# Altium PCB P01-BASE.PcbDoc (continued)
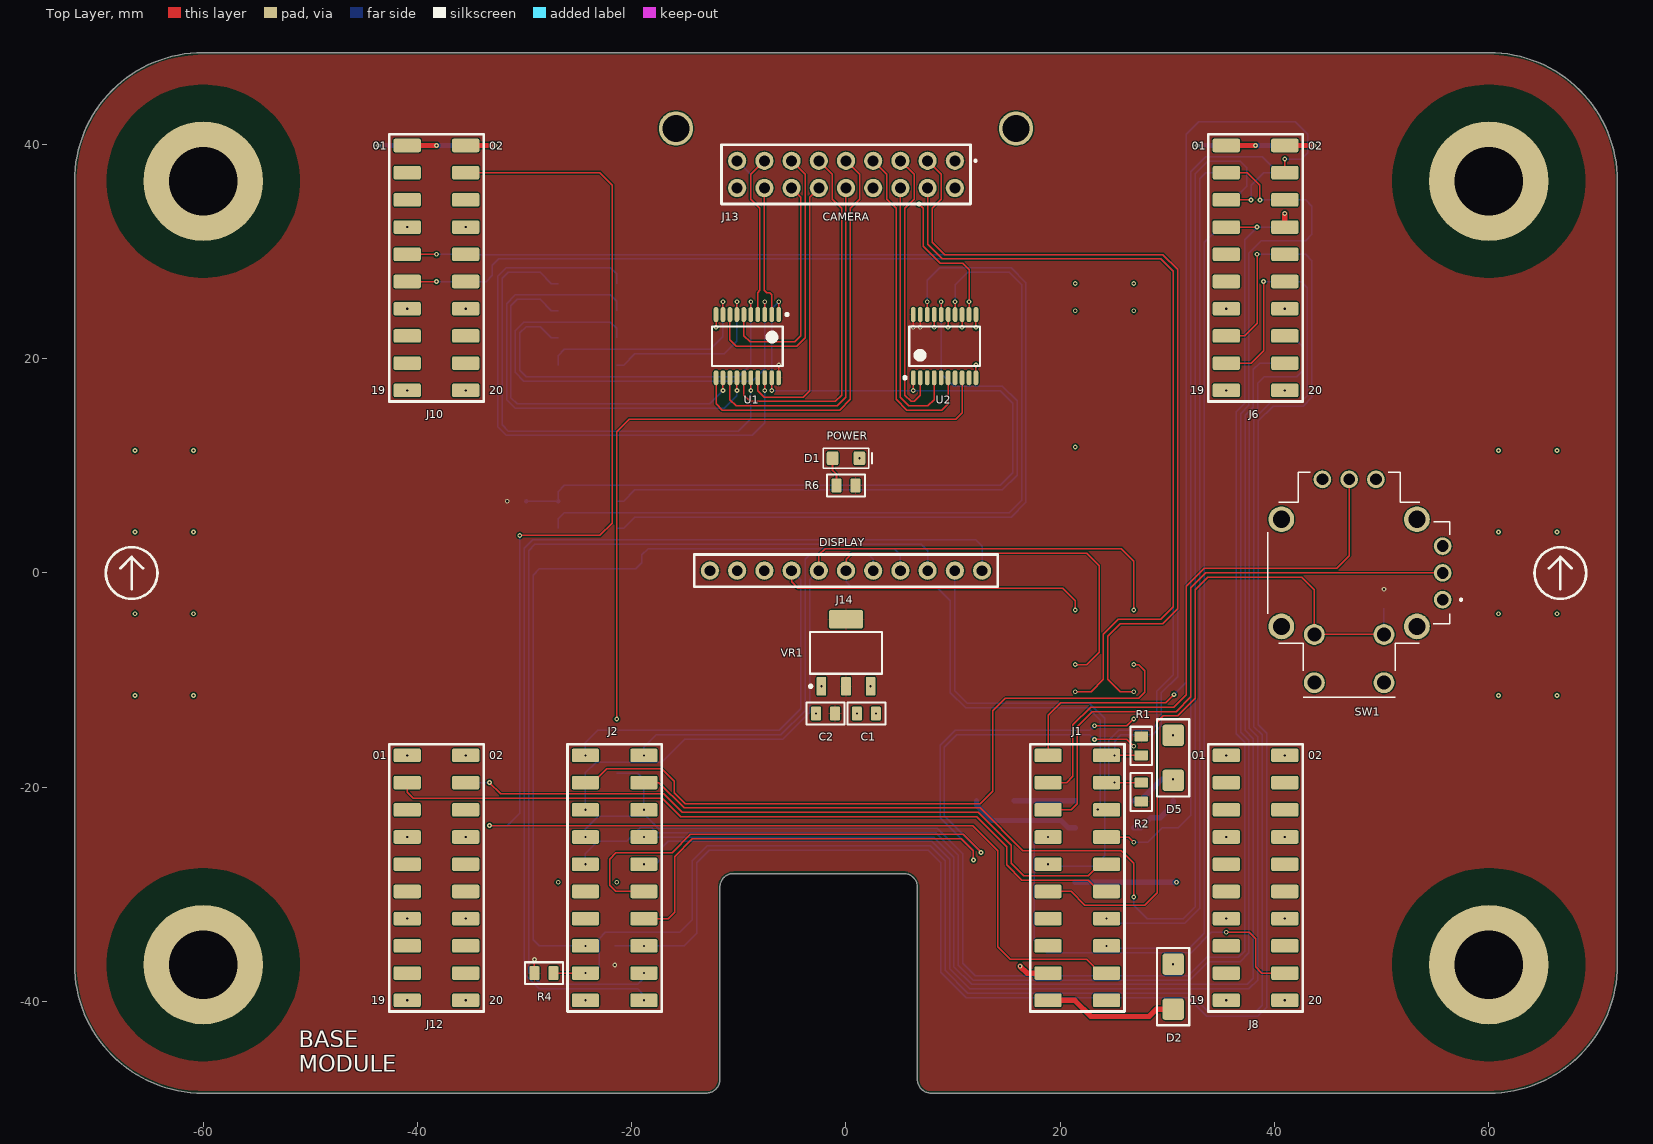
[diagram p0: Top Layer view]
## Footprints (in the part's own frame and the unit in brackets; to place one, negate y for a bottom-side part, rotate by r counter-clockwise, add the part's x,y. Pads: shape width x height; smd on the part's side, far side on the other; paste and mask are expansions set on the pad) (continued)
  rrect25% 1.75x0.9 smd: 1(-3.125,2.3) 2(-3.125,0) 3(-3.125,-2.3)
  rrect25% 1.75x3.2 smd: 2(3.125,0)
  silkscreen extent -3.25,-3.35 1.95,3.42, body extent -3.5,-3.25 3.5,3.25, height 1.8

## Part data
C1 C2: library part CL21B105KAFNFNE, "CAP CER 1UF 25V X7R 0805", Capacitance="1 µF", Operating Temperature="-55°C ~ 125°C", Package / Case="0805 (2012 Metric)", Temperature Coefficient=X7R, Tolerance=±10%, Voltage - Rated=25V, Applications="General Purpose", Mounting Type="Surface Mount, MLCC", Size / Dimension="0.079\" L x 0.049\" W (2.00mm x 1.25mm)", Supplier 1="Arrow Electronics", Supplier Part Number 1=CL21B105KAFNFNE, Thickness (Max)="0.053\" (1.35mm)"
D1: "LED GREEN CLEAR CHIP SMD", Color=Green, Current - Test=20mA, Lens Color=Colorless, Millicandela Rating=12mcd, Package / Case="0805 (2012 Metric)", Supplier Device Package="Chip LED", Supplier Part Number 1=160-1423-1-ND, Voltage - Forward (Vf) (Typ)=2.1V, Configuration=Standard, Height (Max)=0.90mm, Lens Size="1.40mm x 1.25mm", Lens Style="Rectangle with Flat Top", Lens Transparency=Clear, Mounting Type="Surface Mount", Size / Dimension="2.00mm L x 1.25mm W", Supplier 1=Digi-Key, Viewing Angle=130°, Wavelength - Dominant=569nm, Wavelength - Peak=565nm
D2 D4 D5 D7 D8: "DIODE SCHOTTKY 30V 5A PMDS", Current - Average Rectified (Io)=5A, Current - Reverse Leakage @ Vr="150 µA @ 30 V", Operating Temperature - Junction="-55°C ~ 150°C", Package / Case="DO-214AC, SMA", Supplier Part Number 1=846-RBR5L30BDDTE25CT-ND, Voltage - DC Reverse (Vr) (Max)="30 V", Voltage - Forward (Vf) (Max) @ If="490 mV @ 5 A", Diode Type=Schottky, Mounting Type="Surface Mount", Speed="Fast Recovery =< 500ns, > 200mA (Io)", Supplier 1=Digi-Key
J1 J2 J5 J6 J7 J8 J9 J10 J11 J12 J15 J16: "CONN HEADER SMD 20POS 2.54MM", Current Rating (Amps)="3A per Contact", Insulation Color=Black, Material Flammability Rating="UL94 V-0", Operating Temperature="-65°C ~ 125°C", Connector Type="Header, Breakaway", Contact Finish - Mating="Gold, GXT™", Contact Finish - Post=Tin, Contact Finish Thickness - Mating="30.0µin (0.76µm)", Contact Finish Thickness - Post="78.7µin (2.00µm)", Contact Length - Mating="0.232\" (5.90mm)", Contact Material="Phosphor Bronze", Contact Shape=Square, Contact Type="Male Pin", Fastening Type=Push-Pull, Insulation Height="0.100\" (2.54mm)", Insulation Material=Thermoplastic, Mounting Type="Surface Mount", Number of Positions=20, Number of Positions Loaded=All, Number of Rows=2, Pitch - Mating="0.100\" (2.54mm)", Row Spacing - Mating="0.100\" (2.54mm)", Shrouding=Unshrouded, Style="Board to Board", Supplier 1="Arrow Electronics", Supplier Part Number 1=95278-101-20LF, Termination=Solder
  J5 J6 J7 J8 J9 J10 J11 J12 J15 J16: System=Connector
J3 J4: "CONN HEADER SMD 46POS 2.54MM", Current Rating (Amps)="3A per Contact", Insulation Color=Black, Material Flammability Rating="UL94 V-0", Operating Temperature="-65°C ~ 125°C", Supplier Part Number 1=17M5553, Connector Type="Header, Breakaway", Contact Finish - Mating="Gold, GXT™", Contact Finish - Post=Tin, Contact Finish Thickness - Mating="30.0µin (0.76µm)", Contact Finish Thickness - Post="78.7µin (2.00µm)", Contact Length - Mating="0.232\" (5.90mm)", Contact Material="Phosphor Bronze", Contact Shape=Square, Contact Type="Male Pin", Fastening Type=Push-Pull, Insulation Height="0.100\" (2.54mm)", Insulation Material=Thermoplastic, Mounting Type="Surface Mount", Number of Positions=46, Number of Positions Loaded=All, Number of Rows=2, Pitch - Mating="0.100\" (2.54mm)", Row Spacing - Mating="0.100\" (2.54mm)", Shrouding=Unshrouded, Style="Board to Board", Supplier 1=Newark, Termination=Solder
J13: "CONN HDR 18POS 0.1 GOLD PCB R/A", Current Rating (Amps)=3A, Insulation Color=Black, Material Flammability Rating="UL94 V-0", Operating Temperature="-40°C ~ 105°C", Supplier Part Number 1=S5562-ND, Voltage Rating=250V, Connector Type=Header, Contact Finish - Mating=Gold, Contact Finish - Post=Gold, Contact Finish Thickness - Mating=Flash, Contact Finish Thickness - Post=Flash, Contact Length - Post="0.124\" (3.15mm)", Contact Material="Phosphor Bronze", Contact Shape=Square, Contact Type="Female Socket", Fastening Type=Push-Pull, Insulation Height="0.200\" (5.08mm)", Insulation Material=Polyester, Mounting Type="Through Hole, Right Angle", Number of Positions=18, Number of Positions Loaded=All, Number of Rows=2, Pitch - Mating="0.100\" (2.54mm)", Row Spacing - Mating="0.100\" (2.54mm)", Style="Board to Board", Supplier 1=Digi-Key, Termination=Solder
J14: "CONN HDR 11POS 0.1 GOLD PCB", Current Rating (Amps)=3A, Insulation Color=Black, Material Flammability Rating="UL94 V-0", Operating Temperature="-40°C ~ 105°C", Supplier Part Number 1=S7044-ND, Connector Type=Header, Contact Finish - Mating=Gold, Contact Finish - Post=Gold, Contact Finish Thickness - Mating=Flash, Contact Finish Thickness - Post=Flash, Contact Length - Post="0.126\" (3.20mm)", Contact Material="Phosphor Bronze", Contact Shape=Square, Contact Type="Female Socket", Fastening Type=Push-Pull, Insulation Height="0.335\" (8.51mm)", Insulation Material=Polyester, Mounting Type="Through Hole", Number of Positions=11, Number of Positions Loaded=All, Number of Rows=1, Pitch - Mating="0.100\" (2.54mm)", Style="Board to Board", Supplier 1=Digi-Key, Termination=Solder
R1 R2 R3 R4: library part RC0805FR-072K2L, "RES 2.2K OHM 1% 1/8W 0805", Operating Temperature="-55°C ~ 155°C", Package / Case="0805 (2012 Metric)", Power (Watts)="0.125W, 1/8W", Resistance="2.2 kOhms", Supplier Device Package=0805, Supplier Part Number 1=311-2.20KCRDKR-ND, Temperature Coefficient=±100ppm/°C, Tolerance=±1%, Composition="Thick Film", Features="Moisture Resistant", Height - Seated (Max)="0.024\" (0.60mm)", Number of Terminations=2, Size / Dimension="0.079\" L x 0.049\" W (2.00mm x 1.25mm)", Supplier 1=Digi-Key
R5 R7: library part RC0805FR-0710KL, "RES 10K OHM 1% 1/8W 0805", Operating Temperature="-55°C ~ 155°C", Package / Case="0805 (2012 Metric)", Power (Watts)="0.125W, 1/8W", Resistance="10 kOhms", Supplier Device Package=0805, Supplier Part Number 1=3310877, Temperature Coefficient=±100ppm/°C, Tolerance=±1%, Composition="Thick Film", Features="Moisture Resistant", Height - Seated (Max)="0.024\" (0.60mm)", Number of Terminations=2, Size / Dimension="0.079\" L x 0.049\" W (2.00mm x 1.25mm)", Supplier 1="Future Electronics"
R6: library part RC0805FR-7W330RL, "RES 330 OHM 1% 1/4W 0805", Operating Temperature="-55°C ~ 155°C", Power (Watts)="0.25W, 1/4W", Resistance="330 Ohms", Supplier Device Package=0805, Supplier Part Number 1=603-RC0805FR-7W330RL, Temperature Coefficient=±100ppm/°C, Tolerance=±1%, Composition="Thick Film", Features="Moisture Resistant", Height - Seated (Max)="0.024\" (0.60mm)", Number of Terminations=2, Size / Dimension="0.079\" L x 0.049\" W (2.00mm x 1.25mm)", Supplier 1=Mouser
SW1: "THUMBSTICK DUAL AXIS W/MOM PB", Operating Force=160gf, Operating Temperature="-10°C ~ 70°C", Resistance="10 kOhms", Supplier Part Number 1=66AH3097, Voltage Rating - AC="50 V", Voltage Rating - DC="5 V", Actuator Type=Joystick, Electrical Life="1,000,000 Cycles", Features="Center Tap", Mounting Type="Through Hole", Output="Analog (Resistive)", Supplier 1=Newark, Switch Function="360° Directional, Center Select", Termination Style="PC Pin", Type="Joystick, 2 - Axis"
U1 U2: "IC BUF NON-INVERT 3.6V 20TSSOP", Current - Output High, Low="24mA, 24mA", Operating Temperature="-40°C ~ 125°C (TA)", Package / Case="20-TSSOP (0.173\", 4.40mm Width)", Supplier Device Package=20-TSSOP, Supplier Part Number 1=1727-2875-1-ND, Voltage - Supply="1.2V ~ 3.6V", Logic Type="Buffer, Non-Inverting", Mounting Type="Surface Mount", Number of Bits per Element=4, Number of Elements=2, Output Type=3-State, Supplier 1=Digi-Key
VR1: "IC REG LINEAR 3.3V 1A SOT223-4", Current - Output=1A, Current - Quiescent (Iq)="100 µA", Operating Temperature="-40°C ~ 125°C", Package / Case="TO-261-4, TO-261AA", Supplier Part Number 1=296-28778-1-ND, Voltage - Input (Max)=5.5V, Voltage - Output (Min/Fixed)=3.3V, Voltage Dropout (Max)="1.3V @ 800mA", ComponentLink1Description=Datasheet, ComponentLink1URL=https://www.ti.com/lit/ds/symlink/tlv1117lv.pdf, Mounting Type="Surface Mount", Number of Regulators=1, Output Configuration=Positive, Output Type=Fixed, Protection Features="Over Current, Over Temperature", PSRR="75dB (120Hz)", Supplier 1=Digi-Key

## Free pads (board coordinates)
  round 11.14 hole 6.4: M(-60,-36.561) M(-60,36.561) M(60,-36.561) M(60,36.561)
  round 3.2 hole 2.5: M(-15.875,41.482) M(15.875,41.482)

## Via types
v1: diameter 0.45, hole 0.2, Top Layer to Bottom Layer, 145 vias

## Nets (pads, with @x,y where several pads share a name; then routed paths per layer and width w, separated by ;. In a path a pad name is that pad's centre, name@x,y a point inside that pad or via, vN(x,y) a via of type N, cw(c..) or ccw(c..) an arc to the next point about the centre after c; other vN are vias at no path point)
+3V3: C2.2 J13.1 J14.1 R1.2 R2.2 R3.2 R4.2 R5.2 R6.2 R7.2 SW1.3X SW1.3Y U1.20 U2.19 U2.20 VR1.2 | length 4.9
  Top Layer w0.137: R4.2 v1(-29.075,-36.084) ; U1.20 v1(-6.282,19.405) ; v1(6.282,22.918) U2.20 ; v1(6.932,22.918) U2.19
  other v1: -21.59,-36.584 50.211,-1.528 -31.615,6.683
+5V0: C1.2 D2.K D4.K D5.K D7.K D8.K J5.1 J6.1 J9.1 J10.1 VR1.3 | length 10.9
  Top Layer w0.5: J10.1 v1(-38.227,39.894) ; J6.1 v1(38.227,39.894)
  Bottom Layer w0.5: v1(-38.227,39.894) J9.1 ; v1(38.227,39.894) J5.1
  other v1: 30.536,-36.524 30.536,-15.157 2.786,-13.128 2.3,-10.584
\BEAGLE_SPICS: J2.18 J4.18 | length 66.7
  Top Layer w0.137: J2.18 -23.638,-19.574 -22.352,-18.288 -17.19,-18.288 -16.024,-19.453 -16.024,-20.504 -14.999,-21.53 12.536,-21.53 13.701,-20.365 13.701,-12.874 14.867,-11.709 27.305,-11.709 27.888,-11.126 27.888,-9.139 27.305,-8.557 v1(26.86,-8.557)
\BUFFER_RESET: J13.17 U2.12 | length 33.5
  Top Layer w0.137: v1(6.811,34.421) 7.209,34.024 7.209,30.485 8.805,28.889 10.9,28.889 11.483,28.307 v1(11.483,25.305) U2.12
  Bottom Layer w0.137: J13.17 -8.89,37.192 -8.89,34.883 -8.429,34.421 v1(6.811,34.421)
\CAMERA_DE: J3.29 R7.1 U1.1 U1.19 U2.1 | length 88.7
  Top Layer w0.137: v1(-6.932,17.018) U1.19 ; U1.1 v1(-6.283,25.305) ; v1(6.282,17.018) U2.1
  Bottom Layer w0.137: R7.1@-29.845,6.683 J3.29 ; J3.29 -26.86,7.576 -26.277,8.159 14.398,8.159 15.564,9.324 15.564,15.853 14.398,17.018 v1(6.282,17.018) v1(-6.932,17.018) -6.932,24.655 v1(-6.283,25.305)
\CAMERA_RESET: J3.14 U2.8 | length 63.1
  Top Layer w0.137: v1(-21.4,-13.637) -21.4,13.193 -20.235,14.358 10.25,14.358 10.833,14.941 U2.8
\DAC_SPICS: J1.20 J6.4 | length 86.7
  Top Layer w0.137: J1.20 18.86,-13.286 20.025,-12.121 29.857,-12.121 v1(30.611,-11.368) ; J6.4 v1(40.957,38.624)
  Bottom Layer w0.137: v1(30.611,-11.368) 31.776,-10.202 31.776,40.935 32.941,42.1 41.921,42.1 43.087,40.935 43.087,39.225 42.485,38.624 v1(40.957,38.624)
\LED_GPIOINT: J1.9 J12.3 | length 71
  Top Layer w0.137: J12.3 -40.957,-20.467 -40.374,-21.05 -17.16,-21.05 -15.444,-22.766 12.195,-22.766 15.008,-25.579 15.008,-27.263 16.415,-28.67 22.621,-28.67 23.685,-29.734 J1.9
\LED_OE: J1.3 J10.4 | length 152.6
  Top Layer w0.137: J10.4 -22.976,37.354 -21.811,36.189 -21.811,4.655 -22.976,3.489 v1(-30.446,3.489) ; v1(-33.274,-23.59) 11.853,-23.59 14.184,-25.921 14.184,-34.919 15.349,-36.084 22.463,-36.084 23.733,-37.354 J1.3
  Bottom Layer w0.137: v1(-33.274,-23.59) -31.611,-23.59 -30.446,-22.425 v1(-30.446,3.489)
\RADIO_SPICS: J1.7 J5.4 | length 80.2
  Bottom Layer w0.137: v1(24.32,-32.274) 24.732,-32.686 31.606,-32.686 33.012,-31.279 33.012,36.771 33.595,37.354 J5.4
\SDC_SPICS: J1.12 J14.10 | length 44.8
  Bottom Layer w0.137: J14.10 10.16,-10.997 11.325,-12.162 22.724,-12.162 24.13,-13.568 24.13,-26.394 23.123,-27.401 19.067,-27.401 v1(18.86,-27.194)
\SERVO_OE: J1.11 J11.3 | length 64.8
  Top Layer w0.137: v1(-33.274,-19.574) -32.21,-20.638 -16.989,-20.638 -15.273,-22.354 12.365,-22.354 15.42,-25.409 15.42,-27.093 16.585,-28.258 22.621,-28.258 ; 22.624,-28.258 22.621,-28.258 ; J1.11 23.685,-27.194 22.621,-28.258
  Bottom Layer w0.137: J11.3 v1(-33.274,-19.574)
\TFT_RESET: J2.6 J14.8 | length 76.6
  Bottom Layer w0.137: v1(-24.32,-34.814) -28.627,-34.814 -29.21,-34.231 -29.21,-0.202 -28.627,0.381 -19.633,0.381 -19.05,0.964 -19.05,1.674 -18.467,2.257 4.497,2.257 5.08,1.674 J14.8
\TFT_SPICS: J2.19 J14.7 | length 39.2
  Bottom Layer w0.137: v1(-18.86,-17.034) -18.86,-16.278 -17.695,-15.113 -6.071,-15.113 -3.81,-12.852 -3.81,1.263 -3.227,1.846 1.957,1.846 2.54,1.263 J14.7
AUDIO_MICOUT: J1.14 J8.18 | length 38.4
  Top Layer w0.137: v1(35.497,-33.544) 37.644,-33.544 38.227,-34.127 38.227,-36.771 38.81,-37.354 J8.18
  Bottom Layer w0.137: v1(18.86,-24.654) 18.034,-24.654 17.59,-25.098 17.59,-34.284 18.755,-35.449 32.207,-35.449 34.112,-33.544 v1(35.497,-33.544)
BEAGLE_SPIINT: J2.15 J3.10 | length 5.6
  Bottom Layer w0.137: J3.10 -19.443,-18.717 -18.86,-19.299 v1(-18.86,-22.114)
BEAGLE_UARTRX: J2.9 J4.12 | length 72
  Top Layer w0.137: J2.9 -21.468,-29.734 -22.051,-29.151 -22.051,-26.713 -21.468,-26.13 -16.232,-26.13 -14.516,-24.414 10.929,-24.414 v1(12.601,-26.085) ; v1(23.194,-15.542) 26.225,-15.542 v1(26.86,-16.177)
  Bottom Layer w0.137: v1(12.601,-26.085) 12.12,-25.604 9.186,-22.67 9.186,-16.278 10.351,-15.113 22.765,-15.113 v1(23.194,-15.542)
BEAGLE_UARTTX: J2.7 J4.14 | length 69.3
  Top Layer w0.137: J2.7 -16.585,-32.274 -16.002,-31.691 -16.002,-26.482 -14.346,-24.826 10.759,-24.826 11.889,-25.956 v1(11.889,-26.797) ; v1(23.194,-14.272) 26.225,-14.272 v1(26.86,-13.637)
  Bottom Layer w0.137: v1(11.889,-26.797) 11.889,-25.956 8.774,-22.841 8.774,-16.107 10.18,-14.701 22.765,-14.701 v1(23.194,-14.272)
BUFFER_DATA2: J13.16 U1.2 | length 12.3
  Top Layer w0.137: J13.16 -7.62,26.364 -7.419,26.162 -7.134,26.162 -6.933,25.96 U1.2
BUFFER_DATA3: J13.15 U1.4 | length 15.3
  Top Layer w0.137: U1.4 -8.233,26.162 -8.031,26.364 -8.031,34.024 -8.89,34.883 -8.89,37.192 J13.15
BUFFER_DATA4: J13.14 U1.6 | length 21.9
  Top Layer w0.137: U1.6 -9.533,22.155 -8.95,21.572 -4.804,21.572 -4.221,22.155 -4.221,35.072 -4.23,35.072 J13.14
BUFFER_DATA5: J13.13 U1.8 | length 27
  Top Layer w0.137: U1.8 -10.833,21.744 -10.25,21.161 -4.607,21.161 -3.81,21.959 -3.81,37.192 J13.13
BUFFER_DATA6: J13.12 U1.17 | length 25.8
  Top Layer w0.137: U1.17 -8.233,16.996 -7.65,16.413 -3.982,16.413 -3.399,16.996 -3.399,35.072 ; -3.39,35.072 J13.12
BUFFER_DATA7: J13.11 U1.15 | length 34
  Top Layer w0.137: U1.15 -9.533,16.585 -8.95,16.002 -0.994,16.002 -0.411,16.585 -0.411,34.024 -1.27,34.883 -1.27,37.192 J13.11
BUFFER_DATA8: J13.10 U1.13 | length 33
  Top Layer w0.137: U1.13 -10.833,16.174 -10.25,15.591 -0.797,15.591 0,16.388 J13.10
BUFFER_DATA9: J13.9 U1.11 | length 38.8
  Top Layer w0.137: U1.11 -12.133,15.763 -11.55,15.18 -0.601,15.18 0.411,16.192 0.411,34.024 1.27,34.883 1.27,37.192 J13.9
BUFFER_HSYNC: J13.6 U2.4 | length 25.3
  Top Layer w0.137: J13.6 5.08,16.388 5.877,15.591 7.65,15.591 8.233,16.174 U2.4
BUFFER_PCLK: J13.7 U2.6 | length 31.1
  Top Layer w0.137: J13.7 3.81,37.192 3.81,34.883 4.669,34.024 4.669,16.192 5.681,15.18 8.95,15.18 9.533,15.763 U2.6
BUFFER_VSYNC: J13.5 U2.2 | length 26.3
  Top Layer w0.137: J13.5 6.35,37.192 6.35,34.883 5.491,34.024 5.491,16.585 6.074,16.002 6.35,16.002 6.933,16.585 U2.2
CAMERA_DATA2: J3.46 U1.18 | length 56.6
  Top Layer w0.137: v1(-7.582,17.018) U1.18
  Bottom Layer w0.137: J3.46 -21.4,27.896 -21.983,28.479 -31.704,28.479 -32.501,27.681 -32.501,20.749 -32.501,13.625 -31.704,12.828 -9.003,12.828 -8.748,12.828 -7.582,13.993 v1(-7.582,17.018)
CAMERA_DATA3: J3.45 U1.16 | length 47.3
  Top Layer w0.137: v1(-8.882,17.018) U1.16 U1.16@-8.882,18.218
  Bottom Layer w0.137: J3.45 -27.495,27.003 -28.559,28.068 -31.507,28.068 -32.09,27.485 -32.09,20.749 -32.09,13.821 -31.507,13.238 -29.195,13.238 -10.456,13.239 -10.048,13.239 -8.882,14.404 v1(-8.882,17.018)
CAMERA_DATA4: J3.44 U1.14 | length 44.7
  Top Layer w0.137: v1(-10.182,17.018) U1.14
  Bottom Layer w0.137: J3.44 -21.4,25.356 -21.983,25.939 -30.882,25.939 -31.679,25.141 -31.679,20.749 -31.679,16.165 -30.882,15.368 -11.528,15.368 -11.348,15.368 -10.182,16.533 v1(-10.182,17.018)
CAMERA_DATA5: J3.43 U1.12 | length 35.4
  Top Layer w0.137: v1(-11.482,17.018) U1.12
  Bottom Layer w0.137: J3.43 -27.495,24.463 -28.559,25.528 -30.685,25.528 -31.268,24.945 -31.268,20.749 -31.268,16.361 -30.685,15.779 -29.188,15.779 -12.722,15.779 v1(-11.482,17.018)
CAMERA_DATA6: J3.42 U1.3 | length 46.3
  Top Layer w0.137: U1.3 v1(-7.582,25.305)
  Bottom Layer w0.137: J3.42 -21.4,22.816 -21.983,23.399 -30.06,23.399 -30.857,22.601 -30.857,18.705 -30.06,17.908 -8.748,17.908 -7.582,19.073 v1(-7.582,25.305)
CAMERA_DATA7: J3.41 U1.5 | length 37.1
  Top Layer w0.137: U1.5 v1(-8.882,25.305)
  Bottom Layer w0.137: J3.41 -27.495,21.923 -28.559,22.988 -29.863,22.988 -30.446,22.405 -30.446,18.901 -29.863,18.318 -29.039,18.318 -10.048,18.319 -8.882,19.484 v1(-8.882,25.305)
CAMERA_DATA8: J3.40 U1.7 | length 17
  Top Layer w0.137: U1.7 v1(-10.182,25.305)
  Bottom Layer w0.137: J3.40 -20.765,19.383 -19.701,20.448 -11.348,20.448 -10.182,21.613 v1(-10.182,25.305)
CAMERA_DATA9: J3.39 U1.9 | length 21.5
  Top Layer w0.137: U1.9 v1(-11.482,25.305)
  Bottom Layer w0.137: J3.39 -26.86,20.276 -26.277,20.859 -12.648,20.859 -11.482,22.024 v1(-11.482,25.305)
CAMERA_HSYNC: J3.30 U2.16 | length 61.4
  Top Layer w0.137: U2.16 v1(8.883,25.305)
  Bottom Layer w0.137: J3.30 -20.765,6.683 -19.701,7.748 -18.415,7.748 14.595,7.748 15.974,9.127 15.974,16.049 14.595,17.429 10.048,17.429 8.883,18.594 v1(8.883,25.305)
CAMERA_PCLK: J3.27 U2.14 | length 74.9
  Top Layer w0.137: U2.14 v1(10.183,25.305)
  Bottom Layer w0.137: J3.27 -26.86,5.036 -26.277,5.619 15.22,5.619 16.385,6.784 16.385,26.902 15.22,28.068 11.348,28.068 10.183,26.902 v1(10.183,25.305)
CAMERA_VSYNC: J3.28 U2.18 | length 73.2
  Top Layer w0.137: U2.18 v1(7.583,25.305)
  Bottom Layer w0.137: J3.28 -20.765,4.143 -19.701,5.208 15.417,5.208 16.796,6.587 16.796,27.099 15.417,28.479 8.748,28.479 7.583,27.313 v1(7.583,25.305)
GND: C1.1 C2.1 D1.K J1.4 J2.2 J3.1 J3.2 J4.1 J4.2 J4.33 J4.43 J4.44 J4.45 J4.46 J5.2 J5.13 J5.14 J5.19 J5.20 J6.2 J6.8 J6.13 J6.14 J6.19 J6.20 J7.1 J7.2 J7.7 J7.8 J7.13 J7.14 J7.19 J7.20 J8.1 J8.2 J8.7 J8.8 J8.13 J8.14 J8.19 J8.20 J9.2 J9.7 J9.8 J9.13 J9.14 J9.19 J9.20 J10.2 J10.7 J10.8 J10.13 J10.14 J10.19 J10.20 J11.1 J11.2 J11.7 J11.8 J11.13 J11.14 J11.19 J11.20 J12.1 J12.2 J12.7 J12.8 J12.13 J12.14 J12.19 J12.20 J13.2 J13.18 J14.3 J15.1 J15.2 J15.7 J15.8 J15.13 J15.14 J15.19 J15.20 J16.1 J16.2 J16.7 J16.8 J16.13 J16.14 J16.19 J16.20 pad.M SW1.1X SW1.1Y SW1.2S U1.10 U2.10 U2.11 U2.13 U2.15 U2.17 VR1.1 | length 32.3
  Top Layer w0.137: v1(-40.957,-24.654) J12.7@-40.322,-24.654 ; v1(-12.133,22.918) U1.10 ; v1(8.232,22.918) U2.17 ; v1(9.532,22.918) U2.15 ; v1(10.832,22.918) U2.13 ; U2.10 v1(12.133,19.405) ; v1(12.132,22.918) U2.11
  Top Layer w0.5: J10.2 v1(-32.767,39.894) ; v1(16.256,-36.719) 16.891,-37.354 J1.4 ; J6.8 v1(40.957,33.544) ; J6.2 v1(43.687,39.894)
  Bottom Layer w0.5: v1(-43.687,39.894) J9.2 ; J4.1 J4.2 v1(30.86,-28.877) ; v1(32.767,39.894) J5.2
  other v1: -40.957,-39.894 -35.497,-39.894 -24.32,-39.894 35.497,-39.894 40.957,-39.894 -40.957,-32.274 -35.497,-32.274 35.497,-32.274 40.957,-32.274 -26.86,-28.877 -21.4,-28.877 -35.497,-24.654 35.497,-24.654 40.957,-24.654 -40.957,-17.034 -35.497,-17.034 35.497,-17.034 40.957,-17.034 -2.794,-13.128 1.016,-13.128 -66.356,-11.43 -60.896,-11.43 60.896,-11.43 66.356,-11.43 -2.3,-10.584 -66.356,-3.81 -60.896,-3.81 60.896,-3.81 66.356,-3.81 -66.356,3.81 -60.896,3.81 60.896,3.81 66.356,3.81 1.25,10.699 -66.356,11.43 -60.896,11.43 60.896,11.43 66.356,11.43 21.4,11.763 -40.957,17.034 -35.497,17.034 35.497,17.034 40.957,17.034 21.4,24.463 26.86,24.463 -40.957,24.654 -35.497,24.654 35.497,24.654 40.957,24.654 21.4,27.003 26.86,27.003 -40.957,32.274 -35.497,32.274
I2CBUS_A_SCL: J1.17 J9.11 J10.11 R2.1 | length 128.8
  Top Layer w0.137: J10.11 v1(-38.227,27.194) ; J1.17 v1(25.066,-19.574) R2.1
  Bottom Layer w0.137: v1(-38.227,27.194) J9.11 -33.582,27.194 -32.999,27.777 -32.999,28.718 -32.416,29.3 -25.51,29.3 29.375,29.3 30.54,28.135 30.54,-9.508 29.021,-11.027 29.021,-14.118 28.438,-14.701 25.478,-14.701 24.542,-15.637 24.542,-19.05 v1(25.066,-19.574)
I2CBUS_A_SDA: J1.19 J9.9 J10.9 R1.1 | length 125.3
  Top Layer w0.137: J10.9 v1(-38.227,29.734) ; J1.19 v1(25.066,-17.034) R1.1
  Bottom Layer w0.137: v1(-38.227,29.734) J9.9 -35.497,29.711 -25.781,29.711 26.919,29.711 29.571,29.711 30.952,28.331 30.952,-9.678 29.433,-11.197 29.433,-14.289 28.609,-15.113 25.649,-15.113 25.066,-15.696 v1(25.066,-17.034)
I2CBUS_B_SCL: J2.4 J5.11 J6.17 R4.1 | length 174.2
  Top Layer w0.137: R4.1 v1(-24.32,-37.354) ; J6.17 37.815,19.574 38.98,20.739 v1(38.98,27.194)
  Bottom Layer w0.137: v1(-24.32,-37.354) -23.633,-37.354 -23.05,-36.771 -23.05,-34.127 -22.467,-33.544 -15.524,-33.544 -14.359,-32.379 -14.359,-26.885 -12.952,-25.478 7.846,-25.478 9.253,-26.885 9.253,-37.111 11.384,-39.242 32.105,-39.242 33.821,-40.958 38.239,-40.958 38.845,-40.352 38.845,-15.128 38.069,-14.352 38.069,14.352 39.686,15.969 42.486,15.969 43.069,16.552 43.069,26.611 42.486,27.194 J5.11 v1(38.98,27.194)
I2CBUS_B_SDA: J2.5 J5.9 J6.15 R3.1 | length 170
  Top Layer w0.137: J6.15 37.197,22.114 38.362,23.279 v1(38.362,29.734)
  Bottom Layer w0.137: R3.1 v1(-18.86,-34.814) -15.112,-34.814 -13.947,-33.649 -13.947,-27.055 -12.782,-25.89 7.676,-25.89 8.841,-27.055 8.841,-37.282 11.213,-39.654 31.934,-39.654 33.65,-41.37 38.41,-41.37 39.257,-40.523 39.257,-14.957 38.481,-14.181 38.481,14.181 39.857,15.557 42.657,15.557 43.481,16.381 43.481,29.151 42.898,29.734 J5.9 v1(38.362,29.734)
I2CBUS_C_SCL: J4.16 J13.3 | length 78.6
  Top Layer w0.137: J13.3 8.89,37.192 8.89,34.883 8.031,34.024 8.031,30.878 9.196,29.712 ; 9.196,29.711 29.57,29.711 30.952,28.329 30.952,-3.364 29.571,-4.745 28.732,-4.745 ; 24.444,-5.91 24.444,-9.931 25.609,-11.097 v1(26.86,-11.097) ; 24.445,-5.91 25.61,-4.745 28.732,-4.745 ; 28.731,-4.746 28.732,-4.745
I2CBUS_C_SDA: J4.15 J13.4 | length 75.4
  Top Layer w0.137: 7.619,31.326 7.62,31.325 ; J13.4 7.62,31.325 ; v1(21.4,-11.097) 22.868,-11.097 24.033,-9.931 24.033,-5.715 25.414,-4.334 ; 25.415,-4.333 25.414,-4.334 ; 29.375,29.299 30.54,28.134 30.54,-3.169 29.375,-4.334 25.414,-4.334 ; 29.375,29.3 9.001,29.3 7.62,30.681 7.62,31.325
JOY_S_OUTPUT: J1.10 R5.1 SW1.1S | length 66.9
  Top Layer w0.137: J1.10 21.007,-29.734 22.277,-31.004 27.871,-31.004 29.036,-29.839 29.036,-13.939 29.619,-13.357 30.952,-13.357 32.6,-11.709 32.6,-1.577 33.765,-0.412 42.546,-0.412 43.711,-1.577 43.711,-5.75 SW1.1S@50.211,-5.75
  Bottom Layer w0.137: SW1.1S@50.211,-5.75 R5.1
JOY_X_OUTPUT: J1.18 SW1.2X | length 52.8
  Top Layer w0.137: J1.18 20.595,-19.574 21.178,-18.991 21.178,-14.181 22.826,-12.533 30.611,-12.533 31.776,-11.368 31.776,-1.236 33.424,0.412 45.796,0.412 46.961,1.577 SW1.2X
JOY_Y_OUTPUT: J1.16 SW1.2Y | length 56.1
  Top Layer w0.137: J1.16 21.007,-22.114 21.59,-21.531 21.59,-14.351 22.996,-12.945 30.806,-12.945 32.188,-11.563 32.188,-1.407 33.595,0 SW1.2Y
NetD1_A: D1.A R6.1 | length 2.7
  Top Layer w0.171: D1.A -1.25,9.556 -0.885,9.19 R6.1
NetD2_A: D2.A J1.2 | length 12.6
  Top Layer w0.5: J1.2 21.352,-39.894 22.86,-41.402 28.291,-41.402 28.969,-40.724 D2.A
NetD4_A: D4.A J4.6 | length 5
  Bottom Layer w0.5: J4.6 27.511,-23.797 28.44,-22.868 29.316,-22.868 30.536,-21.648 D4.A@30.536,-21.257
NetD5_A: D5.A J4.8 | length 4.5
  Bottom Layer w0.5: J4.8 27.495,-21.257 29.495,-19.257 v1(30.536,-19.257)
NetD7_A: D7.A J4.5 | length 10.5
  Bottom Layer w0.5: D7.A@12.184,-21.257 12.184,-21.657 13.641,-23.114 20.082,-23.114 20.765,-23.797 J4.5
NetD8_A: D8.A J4.7 | length 5.7
  Bottom Layer w0.5: D8.A@15.684,-21.257 J4.7
RADIO_GPIOINT: J1.5 J5.8 | length 76.9
  Bottom Layer w0.137: v1(24.32,-34.814) 24.543,-35.037 32.036,-35.037 33.425,-33.649 33.425,30.836 34.862,32.274 J5.8
RADIO_SPIINT: J2.17 J5.6 | length 137.6
  Top Layer w0.137: J2.17 -17.47,-19.574 -15.102,-21.942 12.536,-21.942 16.518,-25.924 25.695,-25.924 26.86,-27.089 v1(26.86,-30.254)
  Bottom Layer w0.137: v1(26.86,-30.254) 26.86,-31.004 28.13,-32.274 31.472,-32.274 32.6,-31.145 32.6,37.253 33.766,38.418 36.82,38.418 37.403,37.835 37.403,36.085 36.132,34.814 J5.6
RADIO_UARTRX: J2.13 J5.17 | length 129.5
  Bottom Layer w0.137: v1(-18.86,-24.654) 8.188,-24.654 10.077,-26.543 10.077,-36.77 11.725,-38.418 20.13,-38.418 37.438,-38.418 38.021,-37.835 38.021,-15.469 37.245,-14.693 37.245,14.693 38.021,15.469 38.021,18.991 38.604,19.574 J5.17
RADIO_UARTTX: J2.11 J5.15 | length 136.1
  Bottom Layer w0.137: v1(-18.86,-27.194) -17.767,-27.194 -17.184,-26.611 -17.184,-25.649 -16.601,-25.066 8.017,-25.066 9.665,-26.714 9.665,-36.941 11.554,-38.83 20.13,-38.83 37.609,-38.83 38.433,-38.006 38.433,-15.299 37.657,-14.523 37.657,14.523 38.433,15.299 38.433,17.721 39.016,18.304 42.05,18.304 42.657,18.911 42.657,21.049 41.592,22.114 J5.15
SPIBUS_A_CLK: J2.20 J4.21 J14.4 | length 65
  Top Layer w0.137: J14.4 -5.08,-0.85 -4.497,-1.433 20.235,-1.433 21.4,-2.598 v1(21.4,-3.477)
  Bottom Layer w0.137: v1(-24.32,-17.034) -24.32,-15.866 -23.155,-14.701 -6.242,-14.701 -4.221,-12.68 -4.221,-0.652 J14.4
SPIBUS_A_MISO: J2.16 J4.22 J14.5 | length 76.5
  Top Layer w0.137: J14.5 -2.54,1.674 -1.957,2.257 25.695,2.257 26.86,1.091 v1(26.86,-3.477)
  Bottom Layer w0.137: v1(-24.32,-22.114) -24.32,-18.655 -23.318,-17.653 -17.184,-17.653 -15.056,-15.525 -5.9,-15.525 -3.399,-13.024 -3.399,-0.653 J14.5
SPIBUS_A_MOSI: J1.15 J4.17 J14.6 | length 79.8
  Top Layer w0.137: J14.6 0,1.263 0.583,1.846 22.457,1.846 23.622,0.68 23.622,-7.391 22.457,-8.557 v1(21.4,-8.557)
  Bottom Layer w0.137: J14.6 0,-0.85 0.583,-1.433 8.583,-1.433 9.748,-2.598 9.748,-11.167 11.154,-12.573 22.553,-12.573 23.718,-13.738 23.718,-21.875 v1(23.495,-22.098)
SPIBUS_B_CLK: J1.13 J5.3 J6.5 | length 85.8
  Top Layer w0.137: J1.13 26.368,-24.654 v1(26.86,-25.146) ; J6.5 v1(37.815,34.814)
  Bottom Layer w0.137: v1(26.86,-25.146) 28.163,-25.146 29.512,-23.797 31.023,-23.797 32.188,-22.631 32.188,37.423 33.595,38.83 38.846,38.83 J5.3@40.322,37.354 ; v1(37.815,34.814) 37.815,36.189 38.98,37.354 J5.3@40.322,37.354 ; J5.3 J5.3@40.322,37.354
SPIBUS_B_MISO: J2.14 J5.7 J6.7 | length 150
  Top Layer w0.137: J6.7 v1(38.362,32.274)
  Bottom Layer w0.137: v1(-24.32,-24.654) -24.32,-23.914 -23.139,-22.733 -18.624,-22.733 -17.527,-23.83 8.529,-23.83 10.901,-26.202 10.901,-36.429 12.066,-37.594 31.934,-37.594 33.65,-35.878 36.614,-35.878 37.197,-35.295 37.197,-15.811 36.421,-15.035 36.421,15.035 37.197,15.811 37.197,31.109 v1(38.362,32.274) J5.7
SPIBUS_B_MOSI: J2.12 J5.5 J6.3 | length 162.1
  Top Layer w0.137: J6.3 37.474,37.354 38.639,36.189 v1(38.639,34.814)
  Bottom Layer w0.137: v1(-24.32,-27.194) -24.32,-26.232 -23.155,-25.067 -20.448,-25.067 -19.141,-23.761 -18.179,-23.761 -17.697,-24.242 8.358,-24.242 10.489,-26.373 10.489,-36.599 11.896,-38.006 32.105,-38.006 33.821,-36.29 36.785,-36.29 37.609,-35.466 37.609,-15.64 36.833,-14.864 36.833,14.864 37.609,15.64 37.609,29.839 38.774,31.004 42.898,31.004 43.481,31.587 43.481,34.231 42.898,34.814 v1(38.639,34.814)
TFT_BKLPWM: J2.1 J14.11 | length 97.8
  Bottom Layer w0.137: v1(-18.86,-39.894) -18.86,-39.413 -19.443,-38.83 -28.627,-38.83 -30.034,-37.423 -30.034,1.896 -30.034,2.28 -29.236,3.079 -25.729,3.079 12.117,3.079 12.7,2.496 J14.11
TFT_DCSELECT: J2.3 J14.9 | length 90.9
  Bottom Layer w0.137: v1(-18.86,-37.354) -18.86,-37.835 -19.443,-38.418 -28.457,-38.418 -29.622,-37.253 -29.622,0 -29.622,2.085 -29.039,2.668 7.037,2.668 7.62,2.085 J14.9
pads on no net: J1.1 J1.6 J1.8 J2.8 J2.10 J3.3 J3.4 J3.5 J3.6 J3.7 J3.8 J3.9 J3.11 J3.12 J3.13 J3.15 J3.16 J3.17 J3.18 J3.19 J3.20 J3.21 J3.22 J3.23 J3.24 J3.25 J3.26 J3.31 J3.32 J3.33 J3.34 J3.35 J3.36 J3.37 J3.38 J4.3 J4.4 J4.9 J4.10 J4.11 J4.13 J4.19 J4.20 J4.23 J4.24 J4.25 J4.26 J4.27 J4.28 J4.29 J4.30 J4.31 J4.32 J4.34 J4.35 J4.36 J4.37 J4.38 J4.39 J4.40 J4.41 J4.42 J5.10 J5.12 J5.16 J5.18 J6.6 J6.9 J6.10 J6.11 J6.12 J6.16 J6.18 J7.3 J7.4 J7.5 J7.6 J7.9 J7.10 J7.11 J7.12 J7.15 J7.16 J7.17 J7.18 J8.3 J8.4 J8.5 J8.6 J8.9 J8.10 J8.11 J8.12 J8.15 J8.16 J8.17 J9.3 J9.4 J9.5 J9.6 J9.10 J9.12 J9.15 J9.16 J9.17 J9.18 J10.3 J10.5 J10.6 J10.10 J10.12 J10.15 J10.16 J10.17 J10.18 J11.4 J11.5 J11.6 J11.9 J11.10 J11.11 J11.12 J11.15 J11.16 J11.17 J11.18 J12.4 J12.5 J12.6 J12.9 J12.10 J12.11 J12.12 J12.15 J12.16 J12.17 J12.18 J13.8 J14.2 J15.3 J15.4 J15.5 J15.6 J15.9 J15.10 J15.11 J15.12 J15.15 J15.16 J15.17 J15.18 J16.3 J16.4 J16.5 J16.6 J16.9 J16.10 J16.11 J16.12 J16.15 J16.16 J16.17 J16.18 SW1.S1 SW1.S2 SW1.S3 SW1.S4 U2.3 U2.5 U2.7 U2.9

## Polygon pours and split planes (outlines as drawn)
+5V0 on Bottom Layer "Bottom Polygon" (solid, remove dead copper, pour order 1): -60,-48.562 -13.043,-48.561 ccw(c-13.043,-47.292) -11.773,-47.292 -11.773,-29.334 cw(c-10.503,-29.334) -10.503,-28.064 5.398,-28.064 cw(c5.398,-29.334) 6.667,-29.334 6.668,-47.291 ccw(c7.938,-47.292) 7.938,-48.562 25.4,-48.562 60,-48.561 ccw(c60,-36.561) 72,-36.561 72,36.561 ccw(c60,36.561) 60,48.562 -60,48.562 ccw(c-60,36.562) -72,36.561 -72,-36.562 ccw(c-60,-36.562)
+3V3 on Top Layer "Top Polygon" (solid, remove dead copper, pour order 0): -60,-48.562 -13.043,-48.561 ccw(c-13.043,-47.292) -11.773,-47.292 -11.773,-29.334 cw(c-10.503,-29.334) -10.503,-28.064 5.398,-28.064 cw(c5.398,-29.334) 6.667,-29.334 6.668,-47.291 ccw(c7.938,-47.292) 7.938,-48.562 25.4,-48.562 60,-48.561 ccw(c60,-36.561) 72,-36.561 72,36.561 ccw(c60,36.561) 60,48.562 -60,48.562 ccw(c-60,36.562) -72,36.561 -72,-36.562 ccw(c-60,-36.562)
GND on Mid Layer 2 (split plane): 239 vertices, not listed, extent -71.492,-48.053 71.492,48.053
GND on Mid Layer 1 (split plane): 239 vertices, not listed, extent -71.492,-48.053 71.492,48.053

## Other copper
Top Layer:
  pour cut-out: -69,-36.561 ccw(c-60,-36.561) -60,-45.561 ccw(c-60,-36.561) -51,-36.561 ccw(c-60,-36.561) -60,-27.561 ccw(c-60,-36.561)
  pour cut-out: 51,-36.561 ccw(c60,-36.561) 60,-45.561 ccw(c60,-36.561) 69,-36.561 ccw(c60,-36.561) 60,-27.561 ccw(c60,-36.561)
  pour cut-out: 51,36.562 ccw(c60,36.562) 60,27.562 ccw(c60,36.562) 69,36.562 ccw(c60,36.562) 60,45.562 ccw(c60,36.562)
  pour cut-out: -60,27.562 cw(c-60,36.562) -69,36.562 cw(c-60,36.562) -60,45.562 cw(c-60,36.562) -51,36.562 cw(c-60,36.562)
Bottom Layer:
  pour cut-out: 51,-36.561 ccw(c60,-36.561) 60,-45.561 ccw(c60,-36.561) 69,-36.561 ccw(c60,-36.561) 60,-27.561 ccw(c60,-36.561)
  pour cut-out: 51,36.562 ccw(c60,36.562) 60,27.562 ccw(c60,36.562) 69,36.562 ccw(c60,36.562) 60,45.562 ccw(c60,36.562)
  pour cut-out: -60,27.562 cw(c-60,36.562) -69,36.562 cw(c-60,36.562) -60,45.562 cw(c-60,36.562) -51,36.562 cw(c-60,36.562)
  pour cut-out: -69,-36.561 ccw(c-60,-36.561) -60,-45.561 ccw(c-60,-36.561) -51,-36.561 ccw(c-60,-36.561) -60,-27.561 ccw(c-60,-36.561)

## Silkscreen, mask and mechanical layers (free items; w line width, h text height)
Top Overlay:
  circle w0.254: c66.675,-0.013 r2.413
  circle w0.254: c-66.675,-0.013 r2.413
  lines w0.254: -67.735,0.426 -66.675,1.487 ; -66.675,-1.513 -66.675,1.487 ; -65.614,0.426 -66.675,1.487 ; 65.614,0.426 66.675,1.487 ; 66.675,-1.513 66.675,1.487 ; 67.735,0.426 66.675,1.487
  text "01" at -44.174,39.513 h0.76
  text "02" at -33.295,39.513 h0.76
  text "01" at 32.28,39.513 h0.76
  text "02" at 43.159,39.513 h0.76
  text "CAMERA" at -2.158,32.863 h0.76
  text "19" at -44.301,16.653 h0.76
  text "20" at -33.295,16.653 h0.76
  text "19" at 32.153,16.653 h0.76
  text "20" at 43.159,16.653 h0.76
  text "POWER" at -1.777,12.445 h0.76
  text "DISPLAY" at -2.476,2.503 h0.76
  text "01" at -44.174,-17.415 h0.76
  text "02" at -33.295,-17.415 h0.76
  text "01" at 32.28,-17.415 h0.76
  text "02" at 43.159,-17.415 h0.76
  text "19" at -44.301,-40.275 h0.76
  text "20" at -33.295,-40.275 h0.76
  text "19" at 32.153,-40.275 h0.76
  text "20" at 43.159,-40.275 h0.76
  text "BASE / MODULE" at -51.099,-46.561 h1.52
Bottom Overlay:
  circle w0.254: c53.325,-0.014 r2.413
  circle w0.254: c-53.325,-0.014 r2.413
  lines w0.254: -54.386,0.426 -53.325,1.486 ; -53.325,-1.513 -53.325,1.486 ; -52.265,0.426 -53.325,1.486 ; 52.265,0.426 53.325,1.486 ; 53.325,-1.513 53.325,1.486 ; 54.386,0.426 53.325,1.486
  text "02" at -43.159,39.513 h0.76
  text "01" at -32.28,39.513 h0.76
  text "02" at 33.295,39.513 h0.76
  text "01" at 44.174,39.513 h0.76
  text "20" at -43.159,16.653 h0.76
  text "19" at -32.153,16.653 h0.76
  text "20" at 33.295,16.653 h0.76
  text "19" at 44.301,16.653 h0.76
  text "02" at -68.558,11.049 h0.76
  text "01" at -57.679,11.049 h0.76
  text "02" at 58.694,11.049 h0.76
  text "01" at 69.573,11.049 h0.76
  text "20" at -68.558,-11.811 h0.76
  text "19" at -57.552,-11.811 h0.76
  text "20" at 58.694,-11.811 h0.76
  text "19" at 69.7,-11.811 h0.76
  text "02" at -43.159,-17.415 h0.76
  text "01" at -32.28,-17.415 h0.76
  text "02" at 33.295,-17.415 h0.76
  text "01" at 44.174,-17.415 h0.76
  text "20" at -43.159,-40.275 h0.76
  text "19" at -32.153,-40.275 h0.76
  text "20" at 33.295,-40.275 h0.76
  text "19" at 44.301,-40.275 h0.76
Top Solder:
  text "DESIGNED BY / MEHRON TALEBI" at 8.667,-46.562 h1.52
Mechanical 1:
  circle w0.013: c46.961,0 r14.375
  circle w0.013: c-46.961,0 r14.375
  circle w0.006: c0,0 r0.003
  lines w0.254: -25.4,-70.374 25.4,-70.374 25.4,-4.334 -25.4,-4.334 -25.4,-70.374 ; -18.415,0.841 ccw(c-15.875,0.841) -15.875,-1.699 15.875,-1.699 ccw(c15.875,0.841) 18.415,0.841 18.415,41.481 ccw(c15.875,41.481) 15.875,44.021 -15.875,44.021 ccw(c-15.875,41.481) -18.415,41.481 -18.415,0.841
Dimensions:
  lines w0.254: 15.608,-36.496 13.195,-36.496 13.195,-51.101 22.339,-51.101 22.339,-42.592 ; 19.926,-36.496 22.339,-36.496 22.339,-38.147 ; -27.305,-42.212 ccw(c-20.955,-42.212) -20.955,-48.562 20.955,-48.561 ccw(c20.955,-42.212) 27.305,-42.212 27.305,25.099 ccw(c14.605,25.098) 14.605,37.798 -14.605,37.799 ccw(c-14.605,25.098) -27.305,25.098 -27.305,-42.211 ; -10.503,-51.178 -10.503,-29.334 5.398,-29.334 5.398,-51.178 -10.503,-51.178
Mechanical 3:
  circle w0.127: c0,0 r0.064
  lines w0.254: -72,-36.561 ccw(c-60,-36.561) -60,-48.562 -13.043,-48.561 ccw(c-13.043,-47.292) -11.773,-47.292 -11.773,-29.334 cw(c-10.503,-29.334) -10.503,-28.064 5.398,-28.064 cw(c5.397,-29.334) 6.667,-29.334 6.668,-47.291 ccw(c7.938,-47.292) 7.938,-48.562 25.4,-48.562 60,-48.561 ccw(c60,-36.561) 72,-36.561 72,36.561 ccw(c60,36.561) 60,48.562 -60,48.562 ccw(c-60,36.561) -72,36.561 -72,-36.562
Mechanical 5:
  circle w0.254: c60,36.562 r9
  circle w0.254: c60,-36.561 r9
  circle w0.254: c-60,-36.561 r9
  circle w0.254: c-60,36.562 r9
  circle w0.254: c60,-36.561 r12
  circle w0.254: c60,36.561 r6
  circle w0.254: c60,-36.561 r6
  circle w0.254: c-60,-36.561 r12
  circle w0.254: c-60,-36.561 r6
  circle w0.254: c-60,36.561 r6
  circle w0.254: c-60,36.561 r12
  circle w0.254: c60,36.561 r12
  lines w0.254: -0.583,-13.489 0,-12.906 ; -0.583,-12.324 0,-12.906 ; 0.583,-13.489 0,-12.906 ; 0.583,-12.324 0,-12.906 ; -72,-36.561 ccw(c-60,-36.561) -60,-48.562 ; -72,-36.561 ccw(c-60,-36.561) -60,-48.562 ; -72,-36.562 -72,36.561 ; -72,36.561 cw(c-60,36.561) -60,48.562 ; -72,36.561 cw(c-60,36.561) -60,48.562 ; -60,-48.561 -32.385,-48.561 ccw(c-32.385,-46.022) -29.845,-46.022 -29.845,46.022 ccw(c-32.385,46.022) -32.385,48.562 -60,48.562 ; 60,-48.562 ccw(c60,-36.561) 72,-36.561 ; 60,-48.562 ccw(c60,-36.561) 72,-36.561 ; 60,-48.561 32.385,-48.561 cw(c32.385,-46.022) 29.845,-46.022 29.845,46.022 cw(c32.385,46.022) 32.385,48.562 60,48.562 ; 60,48.562 cw(c60,36.561) 72,36.561 ; 60,48.562 cw(c60,36.561) 72,36.561 ; 72,-36.562 72,36.561
Mechanical 6:
  circle w0.254: c-46.961,0 r14.375
  circle w0.254: c-60,-36.561 r3.3
  circle w0.254: c60,36.561 r3.3
  circle w0.254: c46.961,0 r14.375
  circle w0.254: c-60,36.561 r3.3
  circle w0.254: c60,-36.561 r12
  circle w0.254: c-60,-36.561 r12
  circle w0.254: c60,-36.561 r3.3
  circle w0.254: c-60,36.561 r12
  circle w0.254: c60,36.561 r12
  circle w0.127: c0,0 r0.064
  lines w0.254: -72,-36.561 ccw(c-60,-36.561) -60,-48.562 -31.076,-48.561 ccw(c-31.076,-46.022) -28.536,-46.021 -28.536,-4.238 cw(c-25.996,-4.239) -25.996,-1.699 -23.456,-1.698 -23.495,-1.698 ccw(c-23.495,0.841) -20.955,0.841 -20.955,46.022 ccw(c-23.495,46.022) -23.495,48.562 -60,48.562 ccw(c-60,36.561) -72,36.561 -72,-36.562 ; 20.955,0.841 ccw(c23.495,0.841) 23.495,-1.699 23.456,-1.698 25.996,-1.698 cw(c25.996,-4.239) 28.536,-4.239 28.536,-46.021 ccw(c31.076,-46.022) 31.076,-48.562 60,-48.561 ccw(c60,-36.561) 72,-36.561 72,36.561 ccw(c60,36.561) 60,48.562 23.495,48.562 ccw(c23.495,46.022) 20.955,46.022 20.955,0.842
Mechanical 13:
  lines w0.254: -29.21,-44.021 29.21,-44.021 29.21,-12.906 -29.21,-12.906 -29.21,-44.021
Mechanical 15:
  lines w0.254: -70,0 70,0 ; 0,-46.561 0,46.562